# Altium PCB roach2.PcbDoc (part 1 of 39) (continued)
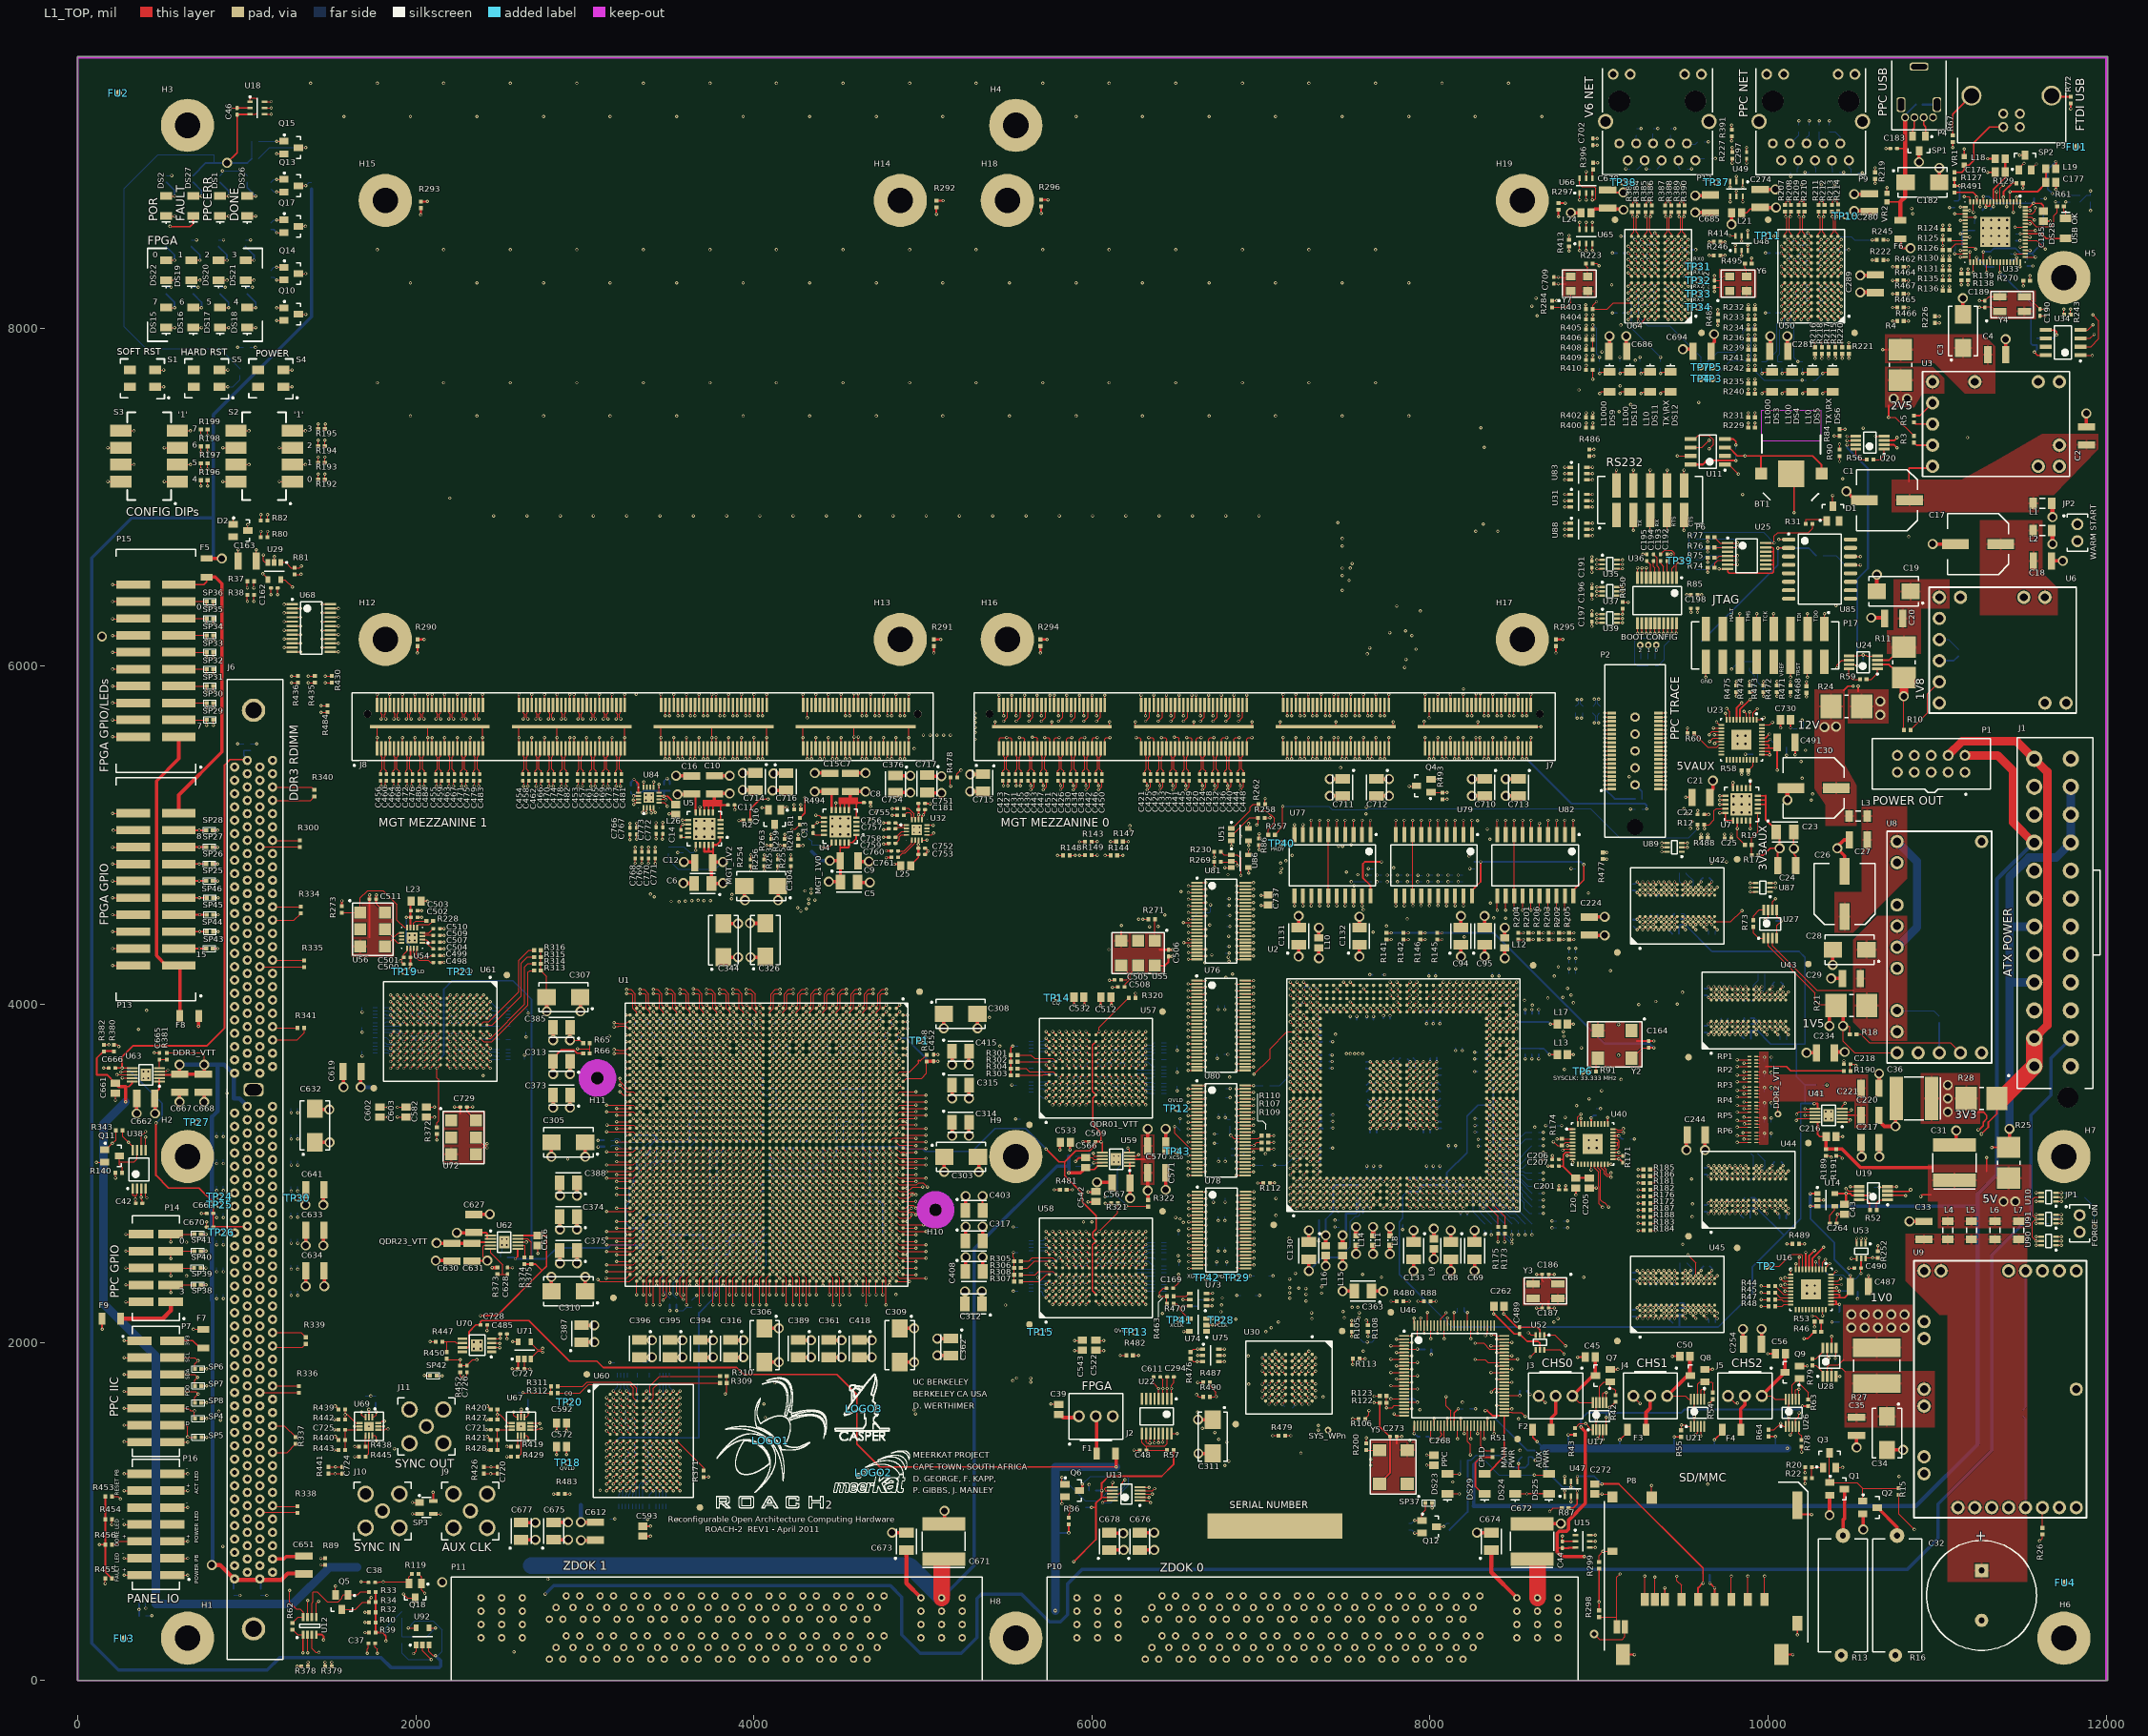
[diagram p0: L1_TOP view]
## Classes and differential pairs (continued)
net class V6_NETS: AUX_CLK_N AUX_CLK_P AUX_SYNCI_N AUX_SYNCI_P AUX_SYNCO_N AUX_SYNCO_P DDR3.A0 DDR3.A1 DDR3.A2 DDR3.A3 DDR3.A4 DDR3.A5 DDR3.A6 DDR3.A7 DDR3.A8 DDR3.A9 DDR3.A10 DDR3.A11 DDR3.A12 DDR3.A13 DDR3.A14 DDR3.A15 DDR3.BA0 DDR3.BA1 DDR3.BA2 DDR3.CASN DDR3.CK_N DDR3.CK_P DDR3.CKE0 DDR3.CKE1 DDR3.DM0 DDR3.DM1 DDR3.DM2 DDR3.DM3 DDR3.DM4 DDR3.DM5 DDR3.DM6 DDR3.DM7 DDR3.DM8 DDR3.DQ0 DDR3.DQ1 DDR3.DQ2 DDR3.DQ3 DDR3.DQ4 DDR3.DQ5 DDR3.DQ6 DDR3.DQ7 DDR3.DQ8 DDR3.DQ9 DDR3.DQ10 DDR3.DQ11 DDR3.DQ12 DDR3.DQ13 DDR3.DQ14 DDR3.DQ15 DDR3.DQ16 DDR3.DQ17 DDR3.DQ18 DDR3.DQ19 DDR3.DQ20 DDR3.DQ21 DDR3.DQ22 DDR3.DQ23 DDR3.DQ24 DDR3.DQ25 DDR3.DQ26 DDR3.DQ27 DDR3.DQ28 DDR3.DQ29 DDR3.DQ30 DDR3.DQ31 DDR3.DQ32 DDR3.DQ33 DDR3.DQ34 DDR3.DQ35 DDR3.DQ36 DDR3.DQ37 DDR3.DQ38 DDR3.DQ39 DDR3.DQ40 DDR3.DQ41 DDR3.DQ42 DDR3.DQ43 DDR3.DQ44 DDR3.DQ45 DDR3.DQ46 DDR3.DQ47 DDR3.DQ48 DDR3.DQ49 DDR3.DQ50 DDR3.DQ51 DDR3.DQ52 DDR3.DQ53 DDR3.DQ54 DDR3.DQ55 DDR3.DQ56 DDR3.DQ57 DDR3.DQ58 DDR3.DQ59 DDR3.DQ60 DDR3.DQ61 DDR3.DQ62 DDR3.DQ63 DDR3.DQ64 DDR3.DQ65 DDR3.DQ66 DDR3.DQ67 DDR3.DQ68 DDR3.DQ69 DDR3.DQ70 DDR3.DQ71 DDR3.DQS_N0 DDR3.DQS_N1 DDR3.DQS_N2 DDR3.DQS_N3 DDR3.DQS_N4 DDR3.DQS_N5 DDR3.DQS_N6 DDR3.DQS_N7 DDR3.DQS_N8 DDR3.DQS_P0 DDR3.DQS_P1 DDR3.DQS_P2 DDR3.DQS_P3 DDR3.DQS_P4 DDR3.DQS_P5 DDR3.DQS_P6 DDR3.DQS_P7 DDR3.DQS_P8 DDR3.ODT0 DDR3.ODT1 DDR3.RASN DDR3.RESETN DDR3.SN0 DDR3.SN1 DDR3.SN2 DDR3.SN3 DDR3.WEN EXT_REFCLK_N0 EXT_REFCLK_N1 EXT_REFCLK_N2 EXT_REFCLK_N3 EXT_REFCLK_N4 EXT_REFCLK_N5 EXT_REFCLK_N6 EXT_REFCLK_N7 EXT_REFCLK_P0 EXT_REFCLK_P1 EXT_REFCLK_P2 EXT_REFCLK_P3 EXT_REFCLK_P4 EXT_REFCLK_P5 EXT_REFCLK_P6 EXT_REFCLK_P7 HSWAPEN MGT_GPIO0 MGT_GPIO1 MGT_GPIO2 MGT_GPIO3 MGT_GPIO4 MGT_GPIO5 MGT_GPIO6 MGT_GPIO7 MGT_GPIO8 MGT_GPIO9 MGT_GPIO10 MGT_GPIO11 MGT_RX_AC0_N MGT_RX_AC0_P MGT_RX_AC1_N MGT_RX_AC1_P MGT_RX_AC2_N MGT_RX_AC2_P MGT_RX_AC3_N MGT_RX_AC3_P MGT_RX_AC4_N MGT_RX_AC4_P MGT_RX_AC5_N MGT_RX_AC5_P MGT_RX_AC6_N MGT_RX_AC6_P MGT_RX_AC7_N MGT_RX_AC7_P MGT_RX_AC8_N MGT_RX_AC8_P MGT_RX_AC9_N MGT_RX_AC9_P MGT_RX_AC10_N MGT_RX_AC10_P MGT_RX_AC11_N MGT_RX_AC11_P MGT_RX_AC12_N MGT_RX_AC12_P MGT_RX_AC13_N MGT_RX_AC13_P MGT_RX_AC14_N MGT_RX_AC14_P MGT_RX_AC15_N MGT_RX_AC15_P MGT_RX_AC16_N MGT_RX_AC16_P MGT_RX_AC17_N MGT_RX_AC17_P MGT_RX_AC18_N MGT_RX_AC18_P MGT_RX_AC19_N MGT_RX_AC19_P MGT_RX_AC20_N MGT_RX_AC20_P MGT_RX_AC21_N MGT_RX_AC21_P MGT_RX_AC22_N MGT_RX_AC22_P MGT_RX_AC23_N MGT_RX_AC23_P MGT_RX_AC24_N MGT_RX_AC24_P MGT_RX_AC25_N MGT_RX_AC25_P MGT_RX_AC26_N MGT_RX_AC26_P MGT_RX_AC27_N MGT_RX_AC27_P MGT_RX_AC28_N MGT_RX_AC28_P MGT_RX_AC29_N MGT_RX_AC29_P MGT_RX_AC30_N MGT_RX_AC30_P MGT_RX_AC31_N MGT_RX_AC31_P MGT_TX_N0 MGT_TX_N1 MGT_TX_N2 MGT_TX_N3 MGT_TX_N4 MGT_TX_N5 MGT_TX_N6 MGT_TX_N7 MGT_TX_N8 MGT_TX_N9 MGT_TX_N10 MGT_TX_N11 MGT_TX_N12 MGT_TX_N13 MGT_TX_N14 MGT_TX_N15 MGT_TX_N16 MGT_TX_N17 MGT_TX_N18 MGT_TX_N19 MGT_TX_N20 MGT_TX_N21 MGT_TX_N22 MGT_TX_N23 MGT_TX_N24 MGT_TX_N25 MGT_TX_N26 MGT_TX_N27 MGT_TX_N28 MGT_TX_N29 MGT_TX_N30 MGT_TX_N31 MGT_TX_P0 MGT_TX_P1 MGT_TX_P2 MGT_TX_P3 MGT_TX_P4 MGT_TX_P5 MGT_TX_P6 MGT_TX_P7 MGT_TX_P8 MGT_TX_P9 MGT_TX_P10 MGT_TX_P11 MGT_TX_P12 MGT_TX_P13 MGT_TX_P14 MGT_TX_P15 MGT_TX_P16 MGT_TX_P17 MGT_TX_P18 MGT_TX_P19 MGT_TX_P20 MGT_TX_P21 MGT_TX_P22 MGT_TX_P23 MGT_TX_P24 MGT_TX_P25 MGT_TX_P26 MGT_TX_P27 MGT_TX_P28 MGT_TX_P29 MGT_TX_P30 MGT_TX_P31 MISC_CLKREF1_N MISC_CLKREF1_P NetR255_1 NetR264_1 NetR265_2 NetR266_1 NetR267_2 NetR268_2 PROGN QDR0.A0 QDR0.A1 QDR0.A2 QDR0.A3 QDR0.A4 QDR0.A5 QDR0.A6 QDR0.A7 QDR0.A8 QDR0.A9 QDR0.A10 QDR0.A11 QDR0.A12 QDR0.A13 QDR0.A14 QDR0.A15 QDR0.A16 QDR0.A17 QDR0.A18 QDR0.A19 QDR0.A20 QDR0.BWN0 QDR0.BWN1 QDR0.BWN2 QDR0.BWN3 QDR0.D0 QDR0.D1 QDR0.D2 QDR0.D3 QDR0.D4 QDR0.D5 QDR0.D6 QDR0.D7 QDR0.D8 QDR0.D9 QDR0.D10 QDR0.D11 QDR0.D12 QDR0.D13 QDR0.D14 QDR0.D15 QDR0.D16 QDR0.D17 QDR0.D18 QDR0.D19 QDR0.D20 QDR0.D21 QDR0.D22 QDR0.D23 QDR0.D24 QDR0.D25 QDR0.D26 QDR0.D27 QDR0.D28 QDR0.D29 QDR0.D30 QDR0.D31 QDR0.D32 QDR0.D33 QDR0.D34 QDR0.D35 QDR0.DOFFN QDR0.K QDR0.KN QDR0.Q0 QDR0.Q1 QDR0.Q2 QDR0.Q3 QDR0.Q4 QDR0.Q5 QDR0.Q6 QDR0.Q7 QDR0.Q8 QDR0.Q9 QDR0.Q10 QDR0.Q11 QDR0.Q12 QDR0.Q13 QDR0.Q14 QDR0.Q15 QDR0.Q16 QDR0.Q17 QDR0.Q18 QDR0.Q19 QDR0.Q20 QDR0.Q21 QDR0.Q22 QDR0.Q23 QDR0.Q24 QDR0.Q25 QDR0.Q26 QDR0.Q27 QDR0.Q28 QDR0.Q29 QDR0.Q30 QDR0.Q31 QDR0.Q32 QDR0.Q33 QDR0.Q34 QDR0.Q35 QDR0.RDN QDR0.WRN QDR1.A0 QDR1.A1 QDR1.A2 QDR1.A3 QDR1.A4 QDR1.A5 QDR1.A6 QDR1.A7 QDR1.A8 QDR1.A9 QDR1.A10 QDR1.A11 QDR1.A12 QDR1.A13 QDR1.A14 QDR1.A15 QDR1.A16 QDR1.A17 QDR1.A18 QDR1.A19 QDR1.A20 QDR1.BWN0 QDR1.BWN1 QDR1.BWN2 QDR1.BWN3 QDR1.D0 QDR1.D1 QDR1.D2 QDR1.D3 QDR1.D4 QDR1.D5 QDR1.D6 QDR1.D7 QDR1.D8 QDR1.D9 QDR1.D10 QDR1.D11 QDR1.D12 QDR1.D13 QDR1.D14 QDR1.D15 QDR1.D16 QDR1.D17 QDR1.D18 QDR1.D19 QDR1.D20 QDR1.D21 QDR1.D22 QDR1.D23 QDR1.D24 QDR1.D25 QDR1.D26 QDR1.D27 QDR1.D28 QDR1.D29 QDR1.D30 QDR1.D31 QDR1.D32 QDR1.D33 QDR1.D34 QDR1.D35 QDR1.DOFFN QDR1.K QDR1.KN QDR1.Q0 QDR1.Q1 QDR1.Q2 QDR1.Q3 QDR1.Q4 QDR1.Q5 QDR1.Q6 QDR1.Q7 QDR1.Q8 QDR1.Q9 QDR1.Q10 QDR1.Q11 QDR1.Q12 QDR1.Q13 QDR1.Q14 QDR1.Q15 QDR1.Q16 QDR1.Q17 QDR1.Q18 QDR1.Q19 QDR1.Q20 QDR1.Q21 QDR1.Q22 QDR1.Q23 QDR1.Q24 QDR1.Q25 QDR1.Q26 QDR1.Q27 QDR1.Q28 QDR1.Q29 QDR1.Q30 QDR1.Q31 QDR1.Q32 QDR1.Q33 QDR1.Q34 QDR1.Q35 QDR1.RDN QDR1.WRN QDR01_VREF QDR2.A0 QDR2.A1 QDR2.A2 QDR2.A3 QDR2.A4 QDR2.A5 QDR2.A6 QDR2.A7 QDR2.A8 QDR2.A9 QDR2.A10 QDR2.A11 QDR2.A12 QDR2.A13 QDR2.A14 QDR2.A15 QDR2.A16 QDR2.A17 QDR2.A18 QDR2.A19 QDR2.A20 QDR2.BWN0 QDR2.BWN1 QDR2.BWN2 QDR2.BWN3 QDR2.D0 QDR2.D1 QDR2.D2 QDR2.D3 QDR2.D4 QDR2.D5 QDR2.D6 QDR2.D7 QDR2.D8 QDR2.D9 QDR2.D10 QDR2.D11 QDR2.D12 QDR2.D13 QDR2.D14 QDR2.D15 QDR2.D16 QDR2.D17 QDR2.D18 QDR2.D19 QDR2.D20 QDR2.D21 QDR2.D22 QDR2.D23 QDR2.D24 QDR2.D25 QDR2.D26 QDR2.D27 QDR2.D28 QDR2.D29 QDR2.D30 QDR2.D31 QDR2.D32 QDR2.D33 QDR2.D34 QDR2.D35 QDR2.DOFFN QDR2.K QDR2.KN QDR2.Q0 QDR2.Q1 QDR2.Q2 QDR2.Q3 QDR2.Q4 QDR2.Q5 QDR2.Q6 QDR2.Q7 QDR2.Q8 QDR2.Q9 QDR2.Q10 QDR2.Q11 QDR2.Q12 QDR2.Q13 QDR2.Q14 QDR2.Q15 QDR2.Q16 QDR2.Q17 QDR2.Q18 QDR2.Q19 QDR2.Q20 QDR2.Q21 QDR2.Q22 QDR2.Q23 QDR2.Q24 QDR2.Q25 QDR2.Q26 QDR2.Q27 QDR2.Q28 QDR2.Q29 QDR2.Q30 QDR2.Q31 QDR2.Q32 QDR2.Q33 QDR2.Q34 QDR2.Q35 QDR2.RDN QDR2.WRN QDR3.A0 QDR3.A1 QDR3.A2 QDR3.A3 QDR3.A4 QDR3.A5 QDR3.A6 QDR3.A7 QDR3.A8 QDR3.A9 QDR3.A10 QDR3.A11 QDR3.A12 QDR3.A13 QDR3.A14 QDR3.A15 QDR3.A16 QDR3.A17 QDR3.A18 QDR3.A19 QDR3.A20 QDR3.BWN0 QDR3.BWN1 QDR3.BWN2 QDR3.BWN3 QDR3.D0 QDR3.D1 QDR3.D2 QDR3.D3 QDR3.D4 QDR3.D5 QDR3.D6 QDR3.D7 QDR3.D8 QDR3.D9 QDR3.D10 QDR3.D11 QDR3.D12 QDR3.D13 QDR3.D14 QDR3.D15 QDR3.D16 QDR3.D17 QDR3.D18 QDR3.D19 QDR3.D20 QDR3.D21 QDR3.D22 QDR3.D23 QDR3.D24 QDR3.D25 QDR3.D26 QDR3.D27 QDR3.D28 QDR3.D29 QDR3.D30 QDR3.D31 QDR3.D32 QDR3.D33 QDR3.D34 QDR3.D35 QDR3.DOFFN QDR3.K QDR3.KN QDR3.Q0 QDR3.Q1 QDR3.Q2 QDR3.Q3 QDR3.Q4 QDR3.Q5 QDR3.Q6 QDR3.Q7 QDR3.Q8 QDR3.Q9 QDR3.Q10 QDR3.Q11 QDR3.Q12 QDR3.Q13 QDR3.Q14 QDR3.Q15 QDR3.Q16 QDR3.Q17 QDR3.Q18 QDR3.Q19 QDR3.Q20 QDR3.Q21 QDR3.Q22 QDR3.Q23 QDR3.Q24 QDR3.Q25 QDR3.Q26 QDR3.Q27 QDR3.Q28 QDR3.Q29 QDR3.Q30 QDR3.Q31 QDR3.Q32 QDR3.Q33 QDR3.Q34 QDR3.Q35 QDR3.RDN QDR3.WRN QDR23_VREF SGMII_CLKREF_N SGMII_CLKREF_P SGMII_RX_AC_N SGMII_RX_AC_P SGMII_TX_N SGMII_TX_P SM_DONE SM_INITN SM_MODE0 SM_MODE1 SM_MODE2 SM_RDWRN SYS_CLK_N SYS_CLK_P V6_GPIO0 V6_GPIO1 V6_GPIO2 V6_GPIO3 V6_GPIO4 V6_GPIO5 V6_GPIO6 V6_GPIO7 V6_GPIO8 V6_GPIO9 V6_GPIO10 V6_GPIO11 V6_IRQN V6_TCK V6_TDI V6_TDO V6_THERM_N V6_THERM_P V6_TMS XAUI_CLKREF0_N XAUI_CLKREF0_P XAUI_CLKREF1_N XAUI_CLKREF1_P XAUI_CLKREF2_N XAUI_CLKREF2_P XL.DOEN XL.PADDR5 XL.PADDR6 XL.PADDR7 XL.PADDR8 XL.PADDR9 XL.PADDR10 XL.PADDR11 XL.PADDR12 XL.PADDR13 XL.PADDR14 XL.PADDR15 XL.PADDR16 XL.PADDR17 XL.PADDR18 XL.PADDR19 XL.PADDR20 XL.PADDR21 XL.PADDR22 XL.PADDR23 XL.PADDR24 XL.PADDR25 XL.PADDR26 XL.PADDR27 XL.PADDR28 XL.PADDR29 XL.PBEN0 XL.PBEN1 XL.PBEN2 XL.PBEN3 XL.PBLASTN XL.PCSN0 XL.PCSN1 XL.PCSN2 XL.PDATA0 XL.PDATA1 XL.PDATA2 XL.PDATA3 XL.PDATA4 XL.PDATA5 XL.PDATA6 XL.PDATA7 XL.PDATA8 XL.PDATA9 XL.PDATA10 XL.PDATA11 XL.PDATA12 XL.PDATA13 XL.PDATA14 XL.PDATA15 XL.PDATA16 XL.PDATA17 XL.PDATA18 XL.PDATA19 XL.PDATA20 XL.PDATA21 XL.PDATA22 XL.PDATA23 XL.PDATA24 XL.PDATA25 XL.PDATA26 XL.PDATA27 XL.PDATA28 XL.PDATA29 XL.PDATA30 XL.PDATA31 XL.PERCLK XL.POEN XL.PRDY XL.PWRN ZDOK0.CLK0_N ZDOK0.CLK0_P ZDOK0.CLK1_N ZDOK0.CLK1_P ZDOK0.DP_N0 ZDOK0.DP_N1 ZDOK0.DP_N2 ZDOK0.DP_N3 ZDOK0.DP_N4 ZDOK0.DP_N5 ZDOK0.DP_N6 ZDOK0.DP_N7 ZDOK0.DP_N8 ZDOK0.DP_N9 ZDOK0.DP_N10 ZDOK0.DP_N11 ZDOK0.DP_N12 ZDOK0.DP_N13 ZDOK0.DP_N14 ZDOK0.DP_N15 ZDOK0.DP_N16 ZDOK0.DP_N17 ZDOK0.DP_N18 ZDOK0.DP_N19 ZDOK0.DP_N20 ZDOK0.DP_N21 ZDOK0.DP_N22 ZDOK0.DP_N23 ZDOK0.DP_N24 ZDOK0.DP_N25 ZDOK0.DP_N26 ZDOK0.DP_N27 ZDOK0.DP_N28 ZDOK0.DP_N29 ZDOK0.DP_N30 ZDOK0.DP_N31 ZDOK0.DP_N32 ZDOK0.DP_N33 ZDOK0.DP_N34 ZDOK0.DP_N35 ZDOK0.DP_N36 ZDOK0.DP_N37 ZDOK0.DP_P0 ZDOK0.DP_P1 ZDOK0.DP_P2 ZDOK0.DP_P3 ZDOK0.DP_P4 ZDOK0.DP_P5 ZDOK0.DP_P6 ZDOK0.DP_P7 ZDOK0.DP_P8 ZDOK0.DP_P9 ZDOK0.DP_P10 ZDOK0.DP_P11 ZDOK0.DP_P12 ZDOK0.DP_P13 ZDOK0.DP_P14 ZDOK0.DP_P15 ZDOK0.DP_P16 ZDOK0.DP_P17 ZDOK0.DP_P18 ZDOK0.DP_P19 ZDOK0.DP_P20 ZDOK0.DP_P21 ZDOK0.DP_P22 ZDOK0.DP_P23 ZDOK0.DP_P24 ZDOK0.DP_P25 ZDOK0.DP_P26 ZDOK0.DP_P27 ZDOK0.DP_P28 ZDOK0.DP_P29 ZDOK0.DP_P30 ZDOK0.DP_P31 ZDOK0.DP_P32 ZDOK0.DP_P33 ZDOK0.DP_P34 ZDOK0.DP_P35 ZDOK0.DP_P36 ZDOK0.DP_P37 ZDOK1.CLK0_N ZDOK1.CLK0_P ZDOK1.CLK1_N ZDOK1.CLK1_P ZDOK1.DP_N0 ZDOK1.DP_N1 ZDOK1.DP_N2 ZDOK1.DP_N3 ZDOK1.DP_N4 ZDOK1.DP_N5 ZDOK1.DP_N6 ZDOK1.DP_N7 ZDOK1.DP_N8 ZDOK1.DP_N9 ZDOK1.DP_N10 ZDOK1.DP_N11 ZDOK1.DP_N12 ZDOK1.DP_N13 ZDOK1.DP_N14 ZDOK1.DP_N15 ZDOK1.DP_N16 ZDOK1.DP_N17 ZDOK1.DP_N18 ZDOK1.DP_N19 ZDOK1.DP_N20 ZDOK1.DP_N21 ZDOK1.DP_N22 ZDOK1.DP_N23 ZDOK1.DP_N24 ZDOK1.DP_N25 ZDOK1.DP_N26 ZDOK1.DP_N27 ZDOK1.DP_N28 ZDOK1.DP_N29 ZDOK1.DP_N30 ZDOK1.DP_N31 ZDOK1.DP_N32 ZDOK1.DP_N33 ZDOK1.DP_N34 ZDOK1.DP_N35 ZDOK1.DP_N36 ZDOK1.DP_N37 ZDOK1.DP_P0 ZDOK1.DP_P1 ZDOK1.DP_P2 ZDOK1.DP_P3 ZDOK1.DP_P4 ZDOK1.DP_P5 ZDOK1.DP_P6 ZDOK1.DP_P7 ZDOK1.DP_P8 ZDOK1.DP_P9 ZDOK1.DP_P10 ZDOK1.DP_P11 ZDOK1.DP_P12 ZDOK1.DP_P13 ZDOK1.DP_P14 ZDOK1.DP_P15 ZDOK1.DP_P16 ZDOK1.DP_P17 ZDOK1.DP_P18 ZDOK1.DP_P19 ZDOK1.DP_P20 ZDOK1.DP_P21 ZDOK1.DP_P22 ZDOK1.DP_P23 ZDOK1.DP_P24 ZDOK1.DP_P25 ZDOK1.DP_P26 ZDOK1.DP_P27 ZDOK1.DP_P28 ZDOK1.DP_P29 ZDOK1.DP_P30 ZDOK1.DP_P31 ZDOK1.DP_P32 ZDOK1.DP_P33 ZDOK1.DP_P34 ZDOK1.DP_P35 ZDOK1.DP_P36 ZDOK1.DP_P37
net class EPB: EPB.DOEN EPB.PADDR5 EPB.PADDR6 EPB.PADDR7 EPB.PADDR8 EPB.PADDR9 EPB.PADDR10 EPB.PADDR11 EPB.PADDR12 EPB.PADDR13 EPB.PADDR14 EPB.PADDR15 EPB.PADDR16 EPB.PADDR17 EPB.PADDR18 EPB.PADDR19 EPB.PADDR20 EPB.PADDR21 EPB.PADDR22 EPB.PADDR23 EPB.PADDR24 EPB.PADDR25 EPB.PADDR26 EPB.PADDR27 EPB.PADDR28 EPB.PADDR29 EPB.PADDR30 EPB.PADDR31 EPB.PBEN0 EPB.PBEN1 EPB.PBEN2 EPB.PBEN3 EPB.PBLASTN EPB.PCSN_CPLD EPB.PCSN_FLASH EPB.PCSN_FPGA0 EPB.PCSN_FPGA1 EPB.PCSN_SMAP EPB.PDATA0 EPB.PDATA1 EPB.PDATA2 EPB.PDATA3 EPB.PDATA4 EPB.PDATA5 EPB.PDATA6 EPB.PDATA7 EPB.PDATA8 EPB.PDATA9 EPB.PDATA10 EPB.PDATA11 EPB.PDATA12 EPB.PDATA13 EPB.PDATA14 EPB.PDATA15 EPB.PDATA16 EPB.PDATA17 EPB.PDATA18 EPB.PDATA19 EPB.PDATA20 EPB.PDATA21 EPB.PDATA22 EPB.PDATA23 EPB.PDATA24 EPB.PDATA25 EPB.PDATA26 EPB.PDATA27 EPB.PDATA28 EPB.PDATA29 EPB.PDATA30 EPB.PDATA31 EPB.PERCLK EPB.POEN EPB.PRDY EPB.PWRN
differential pair XAUI_CLK: +XAUI_CLK_P -XAUI_CLK_N
differential pair XAUI_CLKREF2: +XAUI_CLKREF2_P -XAUI_CLKREF2_N
differential pair XAUI_CLKREF1: +XAUI_CLKREF1_P -XAUI_CLKREF1_N
differential pair XAUI_CLKREF0: +XAUI_CLKREF0_P -XAUI_CLKREF0_N
differential pair XAUI_CLKAC2: +XAUI_CLKAC2_P -XAUI_CLKAC2_N
differential pair XAUI_CLKAC1: +XAUI_CLKAC1_P -XAUI_CLKAC1_N
differential pair XAUI_CLKAC0: +XAUI_CLKAC0_P -XAUI_CLKAC0_N
differential pair SGMII_RX_AC: +SGMII_RX_AC_P -SGMII_RX_AC_N
differential pair MGT_RX_AC31: +MGT_RX_AC31_P -MGT_RX_AC31_N
differential pair MGT_RX_AC30: +MGT_RX_AC30_P -MGT_RX_AC30_N
differential pair MGT_RX_AC29: +MGT_RX_AC29_P -MGT_RX_AC29_N
differential pair MGT_RX_AC28: +MGT_RX_AC28_P -MGT_RX_AC28_N
differential pair MGT_RX_AC27: +MGT_RX_AC27_P -MGT_RX_AC27_N
differential pair MGT_RX_AC26: +MGT_RX_AC26_P -MGT_RX_AC26_N
differential pair MGT_RX_AC25: +MGT_RX_AC25_P -MGT_RX_AC25_N
differential pair MGT_RX_AC24: +MGT_RX_AC24_P -MGT_RX_AC24_N
differential pair MGT_RX_AC23: +MGT_RX_AC23_P -MGT_RX_AC23_N
differential pair MGT_RX_AC22: +MGT_RX_AC22_P -MGT_RX_AC22_N
differential pair MGT_RX_AC21: +MGT_RX_AC21_P -MGT_RX_AC21_N
differential pair MGT_RX_AC20: +MGT_RX_AC20_P -MGT_RX_AC20_N
differential pair MGT_RX_AC19: +MGT_RX_AC19_P -MGT_RX_AC19_N
differential pair MGT_RX_AC18: +MGT_RX_AC18_P -MGT_RX_AC18_N
differential pair MGT_RX_AC17: +MGT_RX_AC17_P -MGT_RX_AC17_N
differential pair MGT_RX_AC16: +MGT_RX_AC16_P -MGT_RX_AC16_N
differential pair MGT_RX_AC15: +MGT_RX_AC15_P -MGT_RX_AC15_N
differential pair MGT_RX_AC14: +MGT_RX_AC14_P -MGT_RX_AC14_N
differential pair MGT_RX_AC13: +MGT_RX_AC13_P -MGT_RX_AC13_N
differential pair MGT_RX_AC12: +MGT_RX_AC12_P -MGT_RX_AC12_N
differential pair MGT_RX_AC11: +MGT_RX_AC11_P -MGT_RX_AC11_N
differential pair MGT_RX_AC10: +MGT_RX_AC10_P -MGT_RX_AC10_N
differential pair MGT_RX_AC9: +MGT_RX_AC9_P -MGT_RX_AC9_N
differential pair MGT_RX_AC8: +MGT_RX_AC8_P -MGT_RX_AC8_N
differential pair MGT_RX_AC7: +MGT_RX_AC7_P -MGT_RX_AC7_N
differential pair MGT_RX_AC6: +MGT_RX_AC6_P -MGT_RX_AC6_N
differential pair MGT_RX_AC5: +MGT_RX_AC5_P -MGT_RX_AC5_N
differential pair MGT_RX_AC4: +MGT_RX_AC4_P -MGT_RX_AC4_N
differential pair MGT_RX_AC3: +MGT_RX_AC3_P -MGT_RX_AC3_N
differential pair MGT_RX_AC2: +MGT_RX_AC2_P -MGT_RX_AC2_N
differential pair MGT_RX_AC1: +MGT_RX_AC1_P -MGT_RX_AC1_N
differential pair MGT_RX_AC0: +MGT_RX_AC0_P -MGT_RX_AC0_N
differential pair ZDOK1.DP0: +ZDOK1.DP_P0 -ZDOK1.DP_N0
differential pair ZDOK1.DP1: +ZDOK1.DP_P1 -ZDOK1.DP_N1
differential pair ZDOK1.DP2: +ZDOK1.DP_P2 -ZDOK1.DP_N2
differential pair ZDOK1.DP3: +ZDOK1.DP_P3 -ZDOK1.DP_N3
differential pair ZDOK1.DP4: +ZDOK1.DP_P4 -ZDOK1.DP_N4
differential pair ZDOK1.DP5: +ZDOK1.DP_P5 -ZDOK1.DP_N5
differential pair ZDOK1.DP6: +ZDOK1.DP_P6 -ZDOK1.DP_N6
differential pair ZDOK1.DP7: +ZDOK1.DP_P7 -ZDOK1.DP_N7
differential pair ZDOK1.DP8: +ZDOK1.DP_P8 -ZDOK1.DP_N8
differential pair ZDOK1.DP9: +ZDOK1.DP_P9 -ZDOK1.DP_N9
differential pair ZDOK1.DP10: +ZDOK1.DP_P10 -ZDOK1.DP_N10
differential pair ZDOK1.DP11: +ZDOK1.DP_P11 -ZDOK1.DP_N11
differential pair ZDOK1.DP12: +ZDOK1.DP_P12 -ZDOK1.DP_N12
differential pair ZDOK1.DP13: +ZDOK1.DP_P13 -ZDOK1.DP_N13
differential pair ZDOK1.DP14: +ZDOK1.DP_P14 -ZDOK1.DP_N14
differential pair ZDOK1.DP15: +ZDOK1.DP_P15 -ZDOK1.DP_N15
differential pair ZDOK1.DP16: +ZDOK1.DP_P16 -ZDOK1.DP_N16
differential pair ZDOK1.DP17: +ZDOK1.DP_P17 -ZDOK1.DP_N17
differential pair ZDOK1.DP18: +ZDOK1.DP_P18 -ZDOK1.DP_N18
differential pair ZDOK1.DP19: +ZDOK1.DP_P19 -ZDOK1.DP_N19
differential pair ZDOK1.DP20: +ZDOK1.DP_P20 -ZDOK1.DP_N20
differential pair ZDOK1.DP21: +ZDOK1.DP_P21 -ZDOK1.DP_N21
differential pair ZDOK1.DP22: +ZDOK1.DP_P22 -ZDOK1.DP_N22
differential pair ZDOK1.DP23: +ZDOK1.DP_P23 -ZDOK1.DP_N23
differential pair ZDOK1.DP24: +ZDOK1.DP_P24 -ZDOK1.DP_N24
differential pair ZDOK1.DP25: +ZDOK1.DP_P25 -ZDOK1.DP_N25
differential pair ZDOK1.DP26: +ZDOK1.DP_P26 -ZDOK1.DP_N26
differential pair ZDOK1.DP27: +ZDOK1.DP_P27 -ZDOK1.DP_N27
differential pair ZDOK1.DP28: +ZDOK1.DP_P28 -ZDOK1.DP_N28
differential pair ZDOK1.DP29: +ZDOK1.DP_P29 -ZDOK1.DP_N29
differential pair ZDOK1.DP30: +ZDOK1.DP_P30 -ZDOK1.DP_N30
differential pair ZDOK1.DP31: +ZDOK1.DP_P31 -ZDOK1.DP_N31
differential pair ZDOK1.DP32: +ZDOK1.DP_P32 -ZDOK1.DP_N32
differential pair ZDOK1.DP33: +ZDOK1.DP_P33 -ZDOK1.DP_N33
differential pair ZDOK1.DP34: +ZDOK1.DP_P34 -ZDOK1.DP_N34
differential pair ZDOK1.DP35: +ZDOK1.DP_P35 -ZDOK1.DP_N35
differential pair ZDOK1.DP36: +ZDOK1.DP_P36 -ZDOK1.DP_N36
differential pair ZDOK1.DP37: +ZDOK1.DP_P37 -ZDOK1.DP_N37
differential pair AUX_CLK: +AUX_CLK_P -AUX_CLK_N
differential pair AUX_SYNCI: +AUX_SYNCI_P -AUX_SYNCI_N
differential pair AUX_SYNCO: +AUX_SYNCO_P -AUX_SYNCO_N
differential pair DDR2.CLK0: +DDR2.CLK_P0 -DDR2.CLK_N0
differential pair DDR2.CLK1: +DDR2.CLK_P1 -DDR2.CLK_N1
differential pair DDR2.CLK2: +DDR2.CLK_P2 -DDR2.CLK_N2
differential pair DDR2.CLK3: +DDR2.CLK_P3 -DDR2.CLK_N3
differential pair DDR2.CLKOUTR: +DDR2.CLKOUTR_P -DDR2.CLKOUTR_N
differential pair DDR2.CLKOUT: +DDR2.CLKOUT_P -DDR2.CLKOUT_N
differential pair DDR3.CK: +DDR3.CK_P -DDR3.CK_N
differential pair DDR3.DQS0: +DDR3.DQS_P0 -DDR3.DQS_N0
differential pair DDR3.DQS1: +DDR3.DQS_P1 -DDR3.DQS_N1
differential pair DDR3.DQS2: +DDR3.DQS_P2 -DDR3.DQS_N2
differential pair DDR3.DQS3: +DDR3.DQS_P3 -DDR3.DQS_N3
differential pair DDR3.DQS4: +DDR3.DQS_P4 -DDR3.DQS_N4
differential pair DDR3.DQS5: +DDR3.DQS_P5 -DDR3.DQS_N5
differential pair DDR3.DQS6: +DDR3.DQS_P6 -DDR3.DQS_N6
differential pair DDR3.DQS7: +DDR3.DQS_P7 -DDR3.DQS_N7
differential pair DDR3.DQS8: +DDR3.DQS_P8 -DDR3.DQS_N8